# Altium PCB RF.PcbDoc (part 1 of 5)
Units mm, origin at the board's own origin, x right, y up, seen from the top; angles counter-clockwise.
Board outline 174 x 120 mm, 4 copper layers (Top, REF1, Internal, REF2), stack 1.212 mm thick; 567 components, 328 nets, 1552 pads, 3145 vias.
Unrouted connection lines stored in the file: 12.
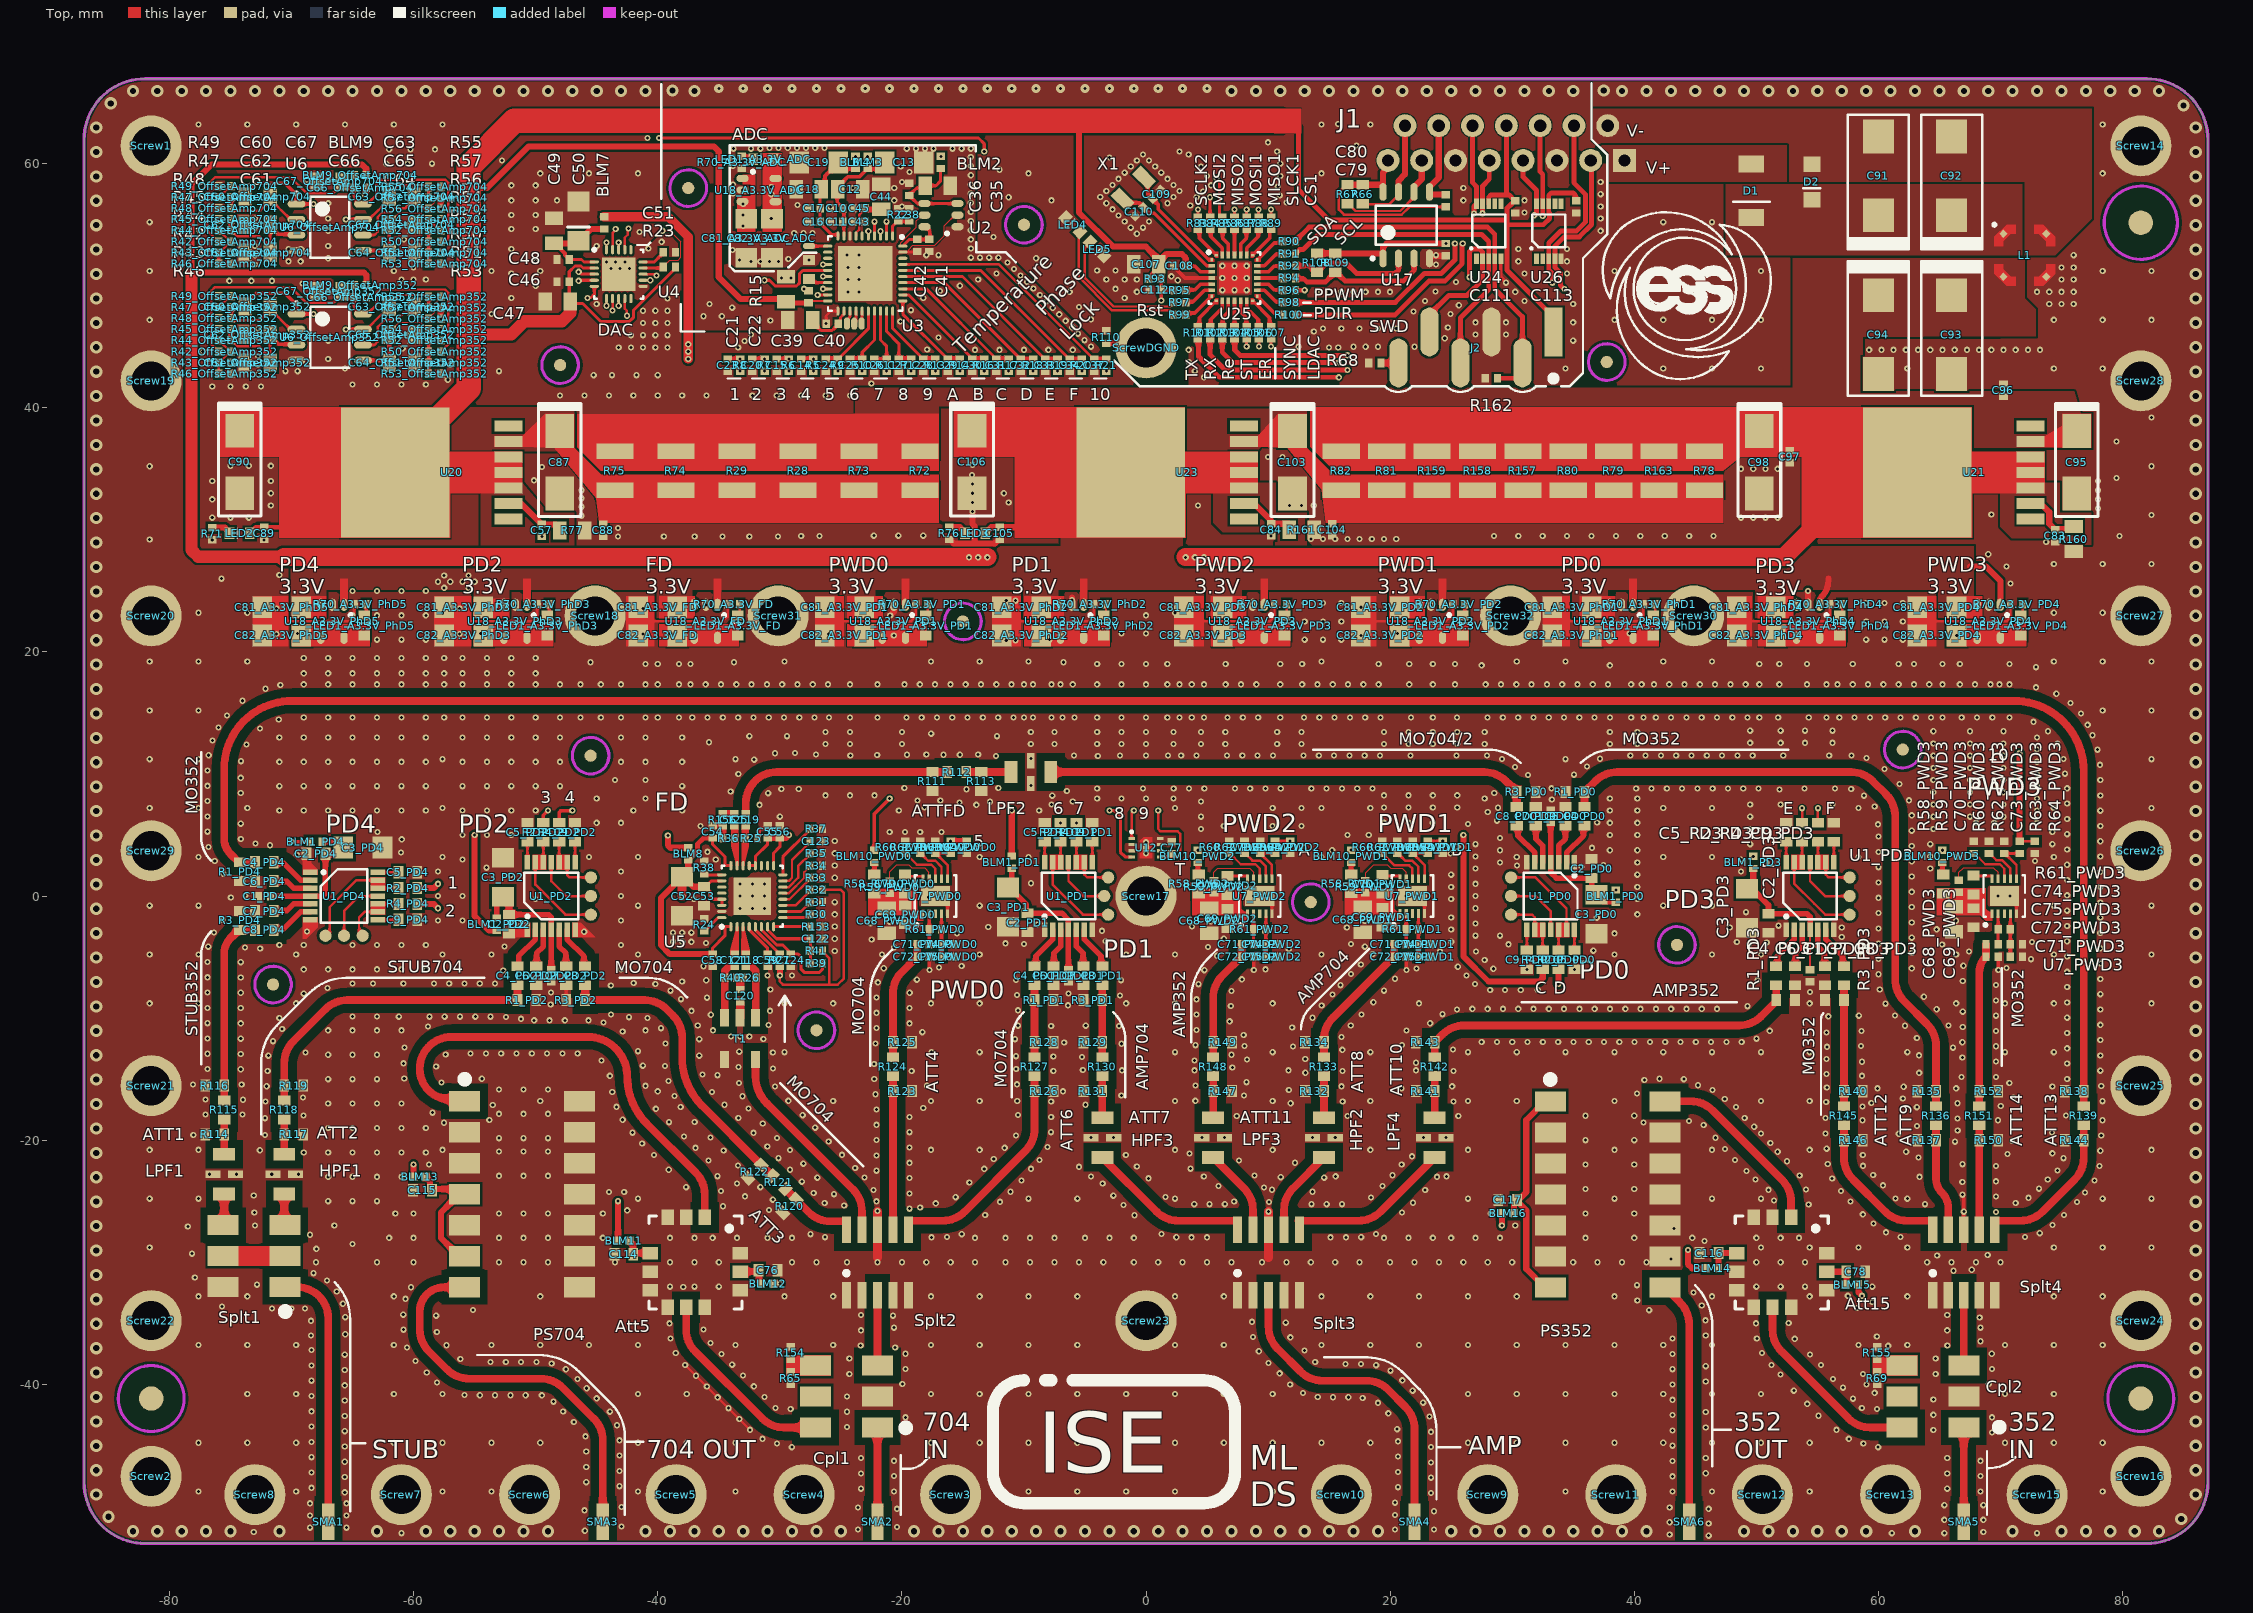
[diagram p0: Top view]
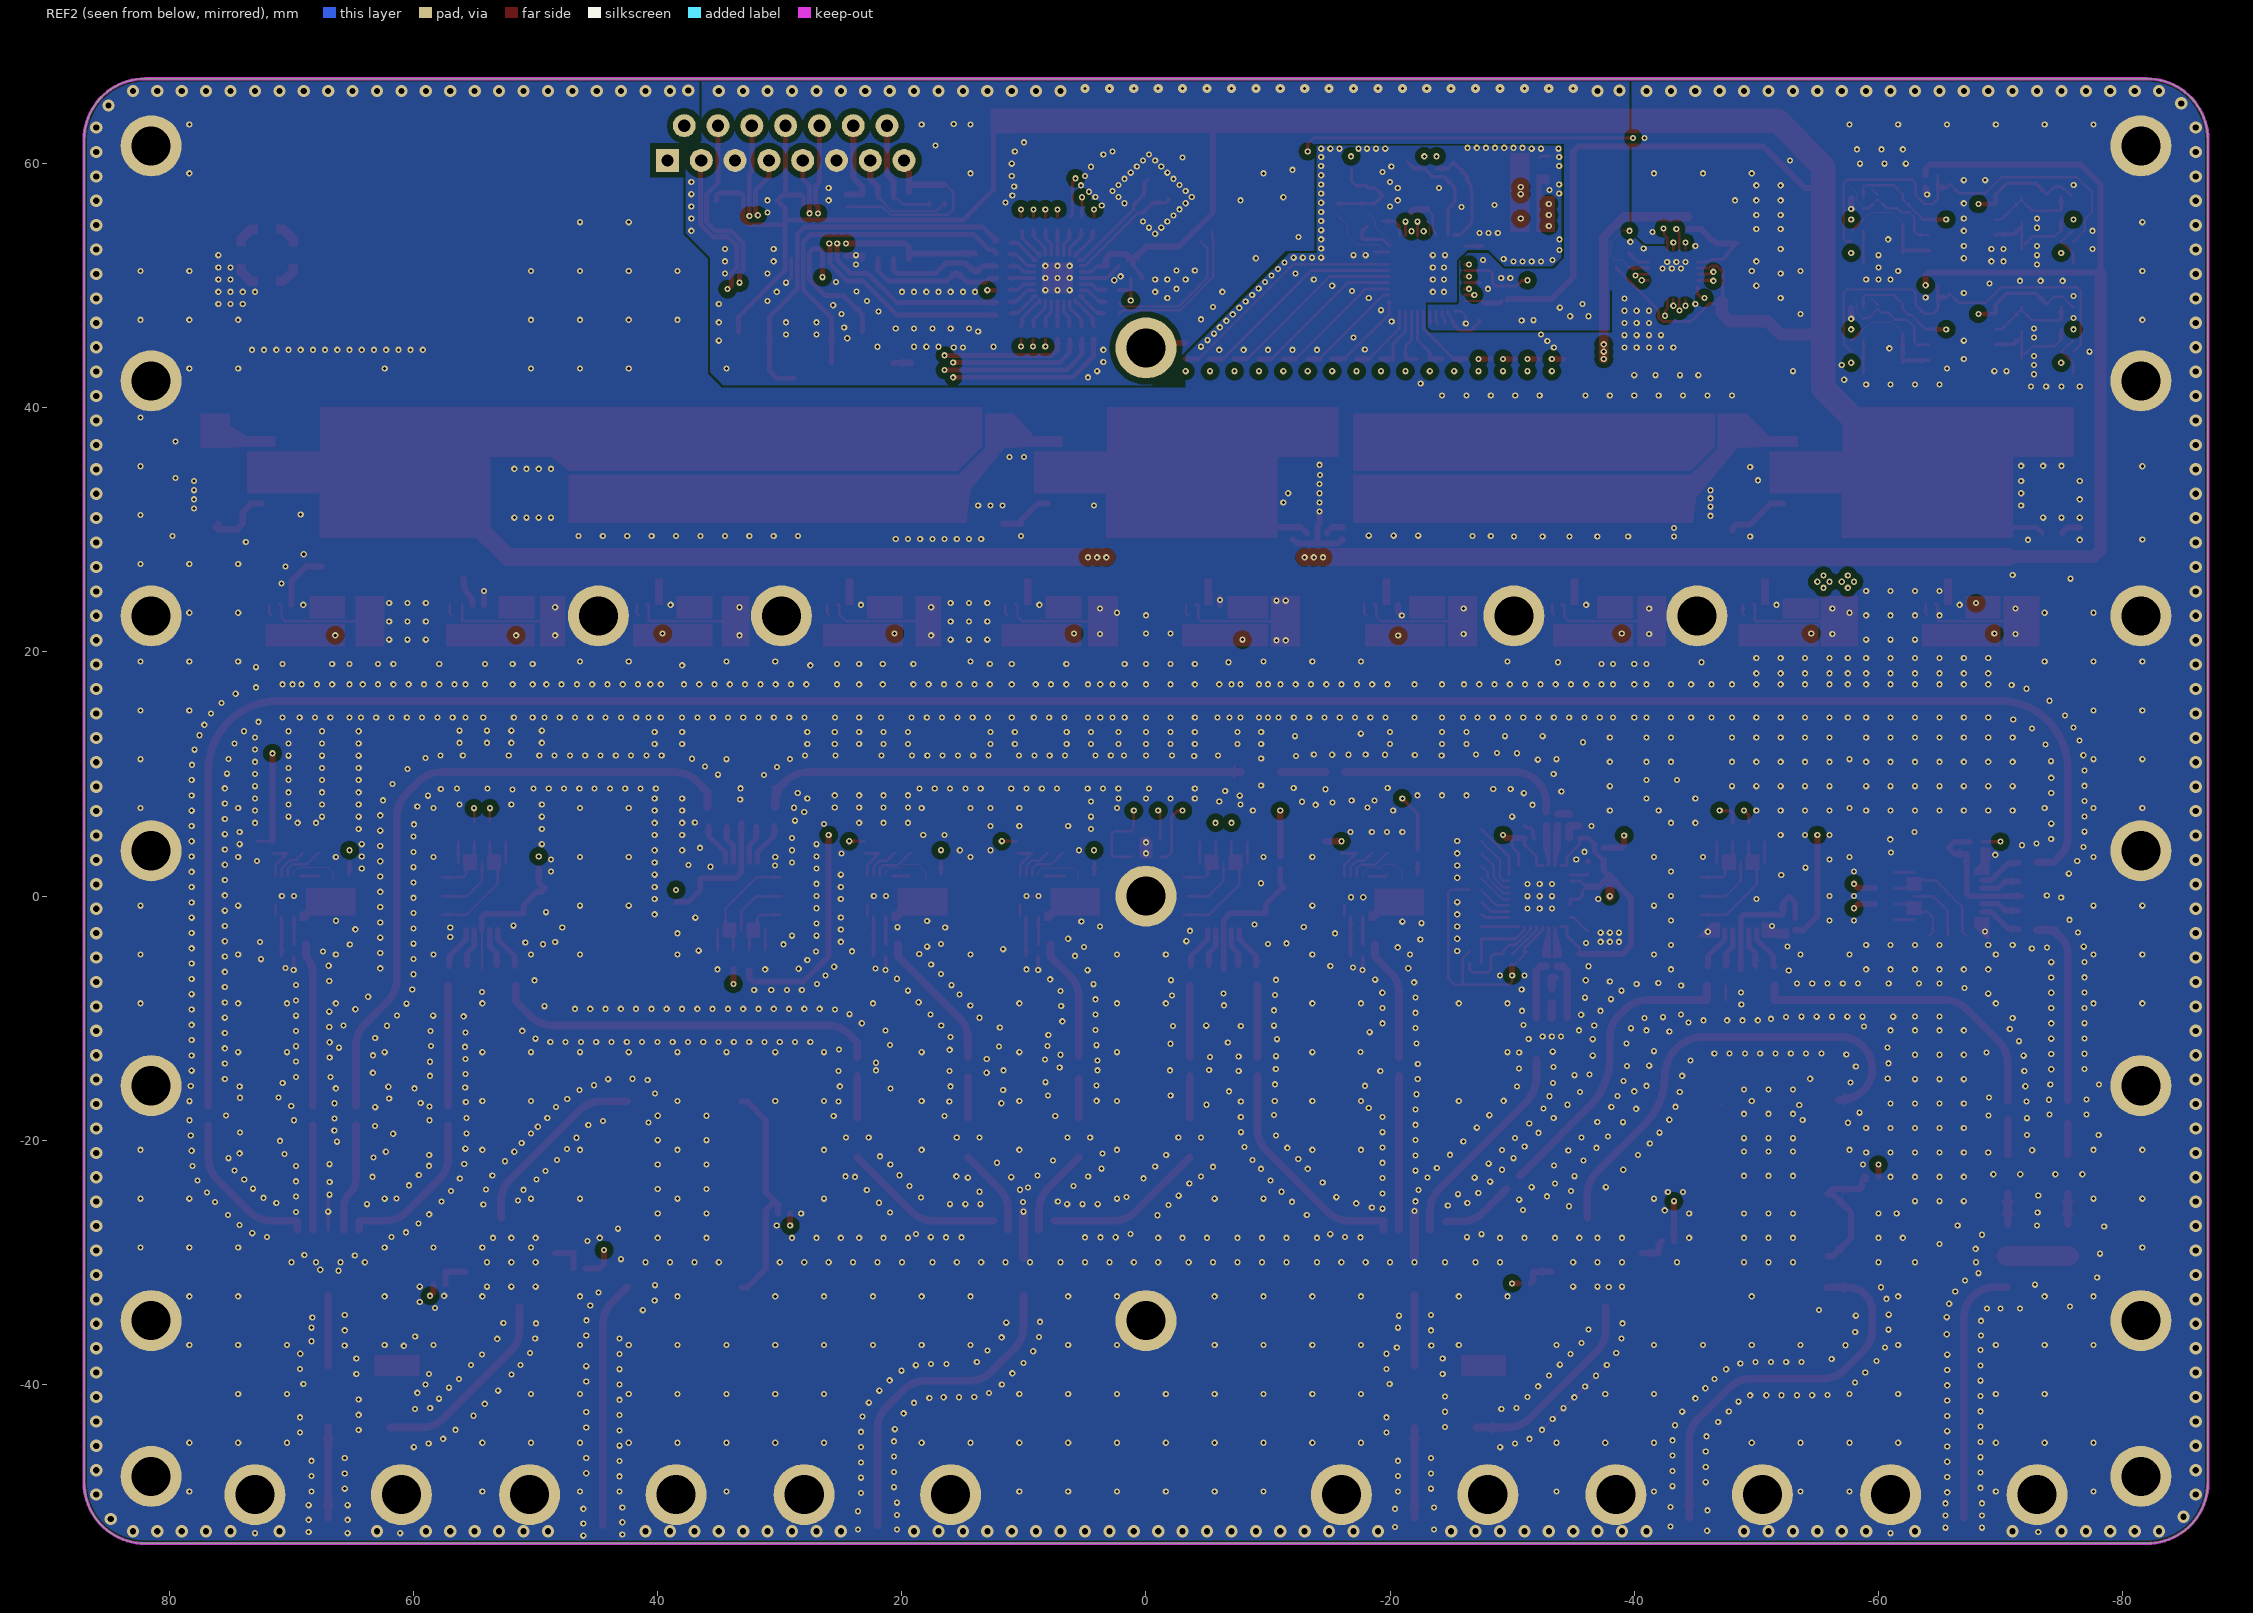
[diagram p1: REF2 view, seen from below]
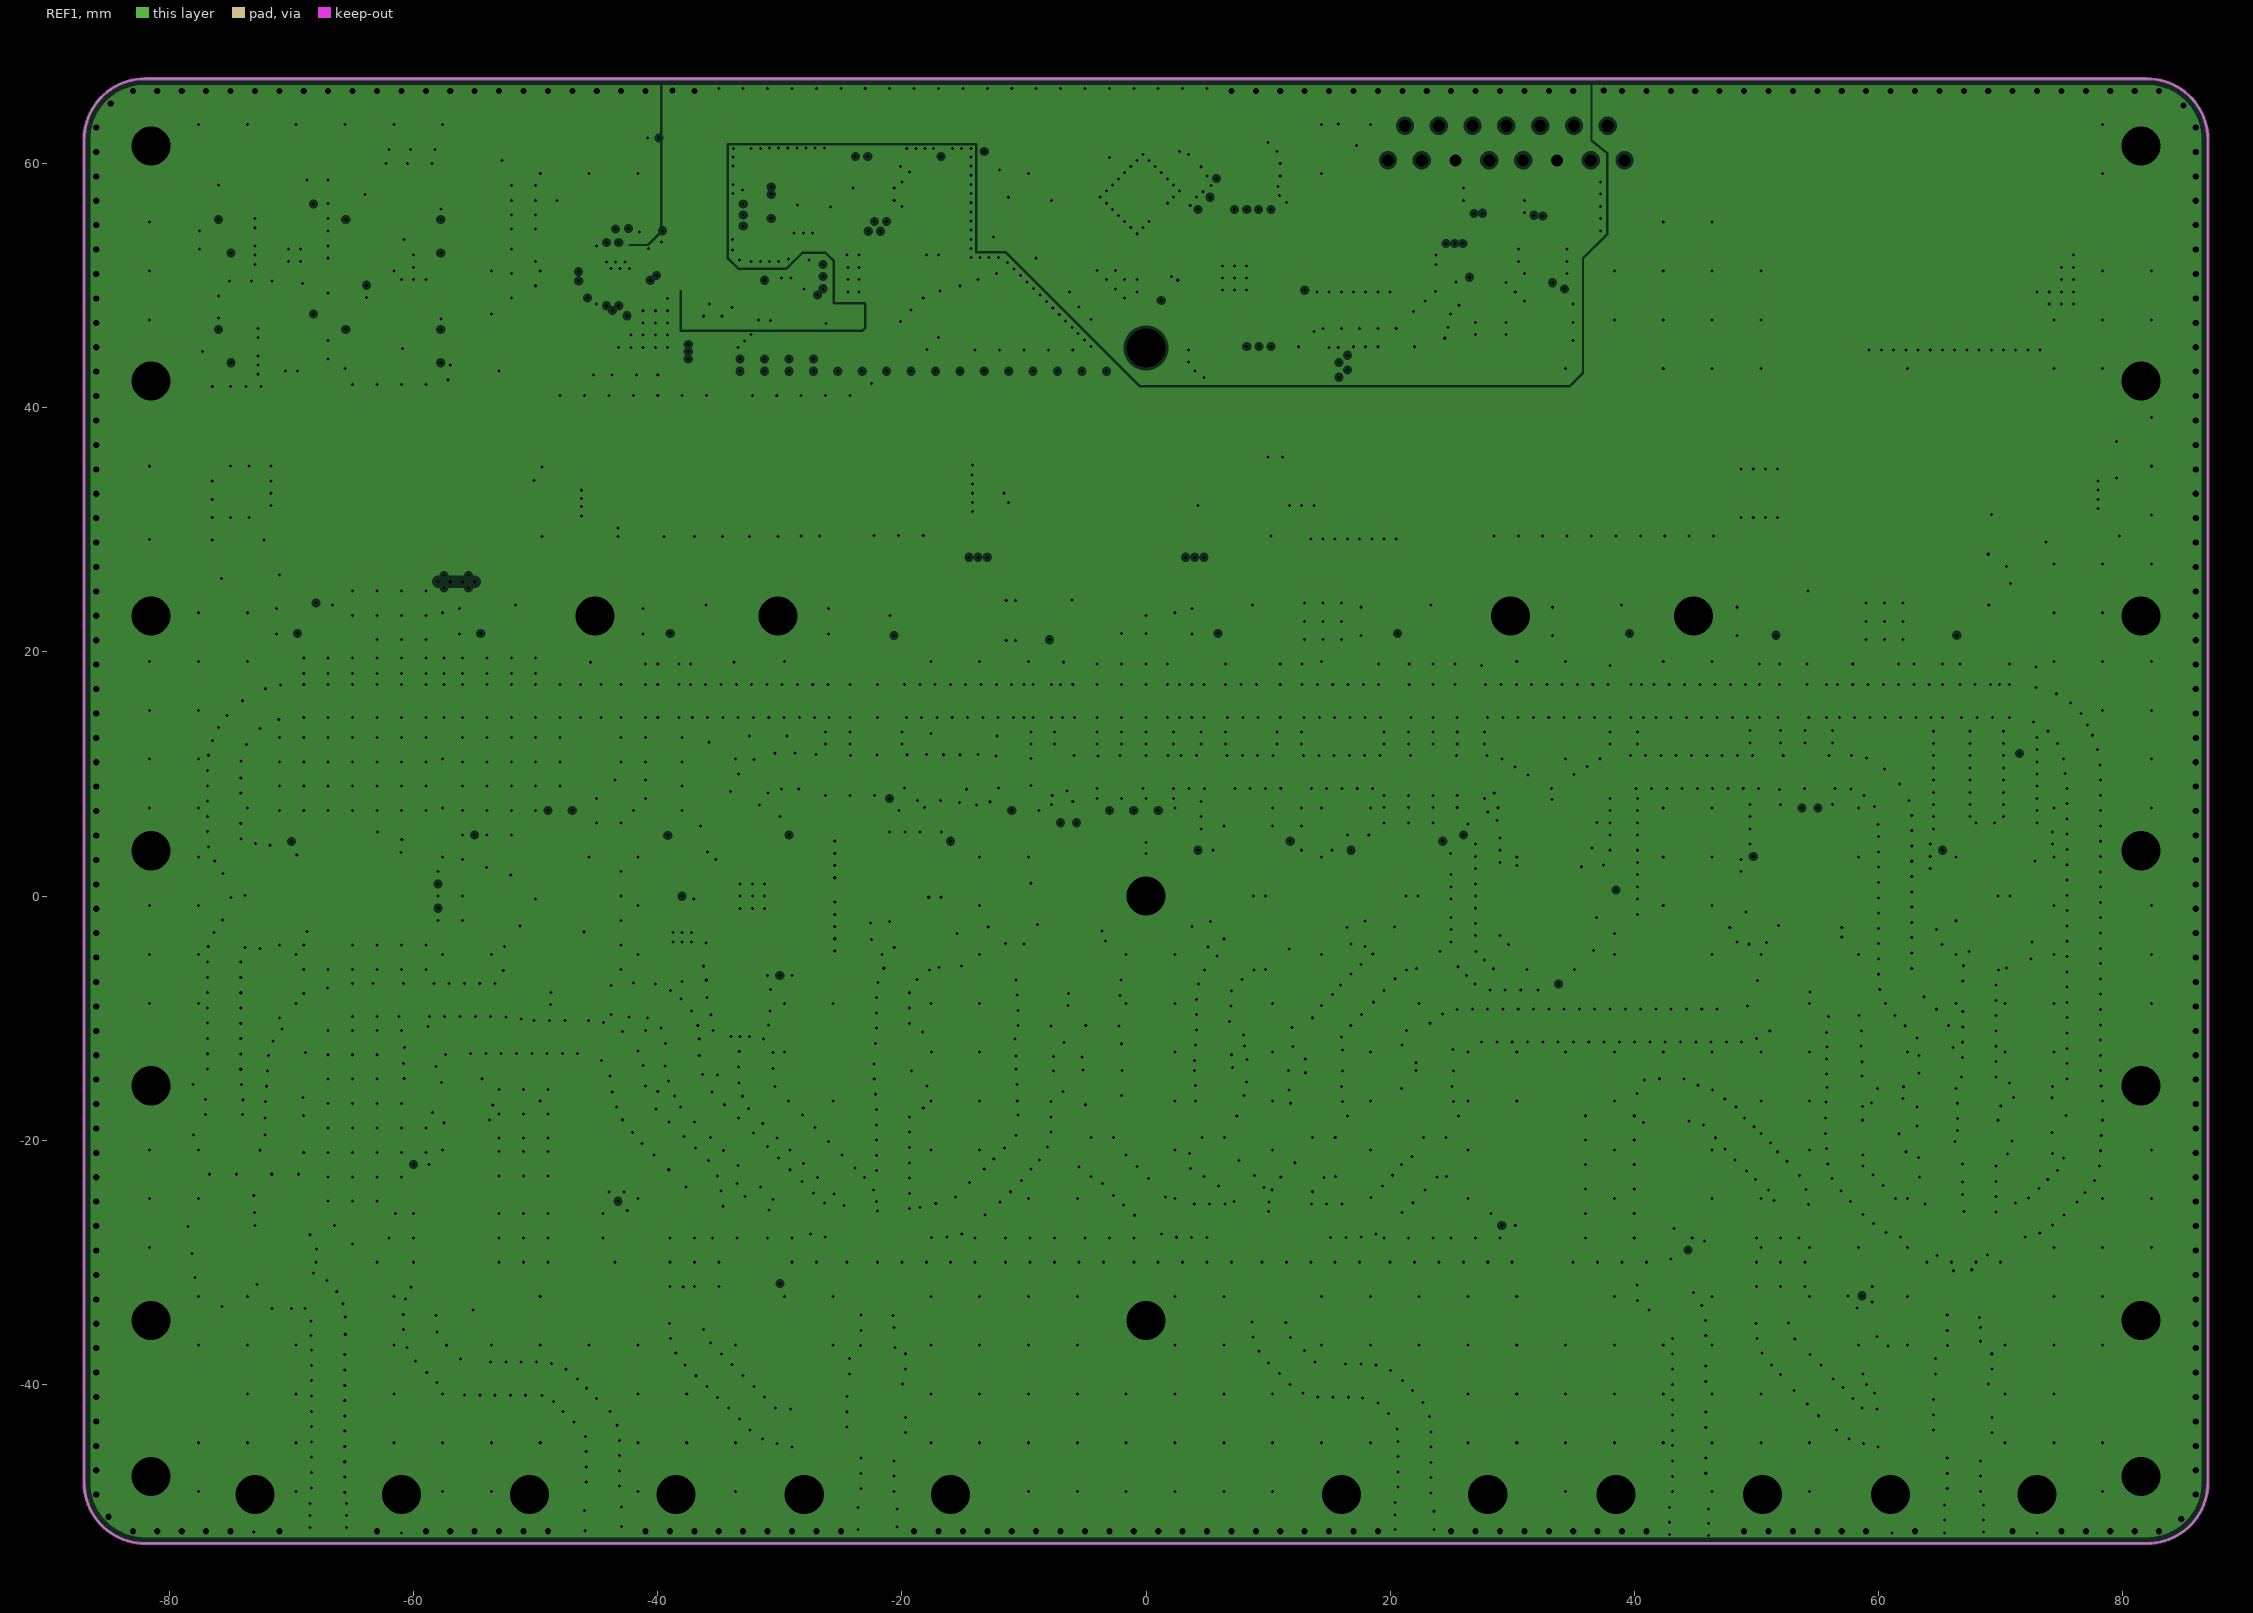
[diagram p2: REF1, clearances drawn from the general rule]